# Altium PCB VCA822.PcbDoc
Units mm, origin at the board's own origin, x right, y up, seen from the top; angles counter-clockwise.
Board outline 48 x 38 mm, 2 copper layers (Top Layer, Bottom Layer); 42 components, 21 nets, 111 pads, 16 vias.
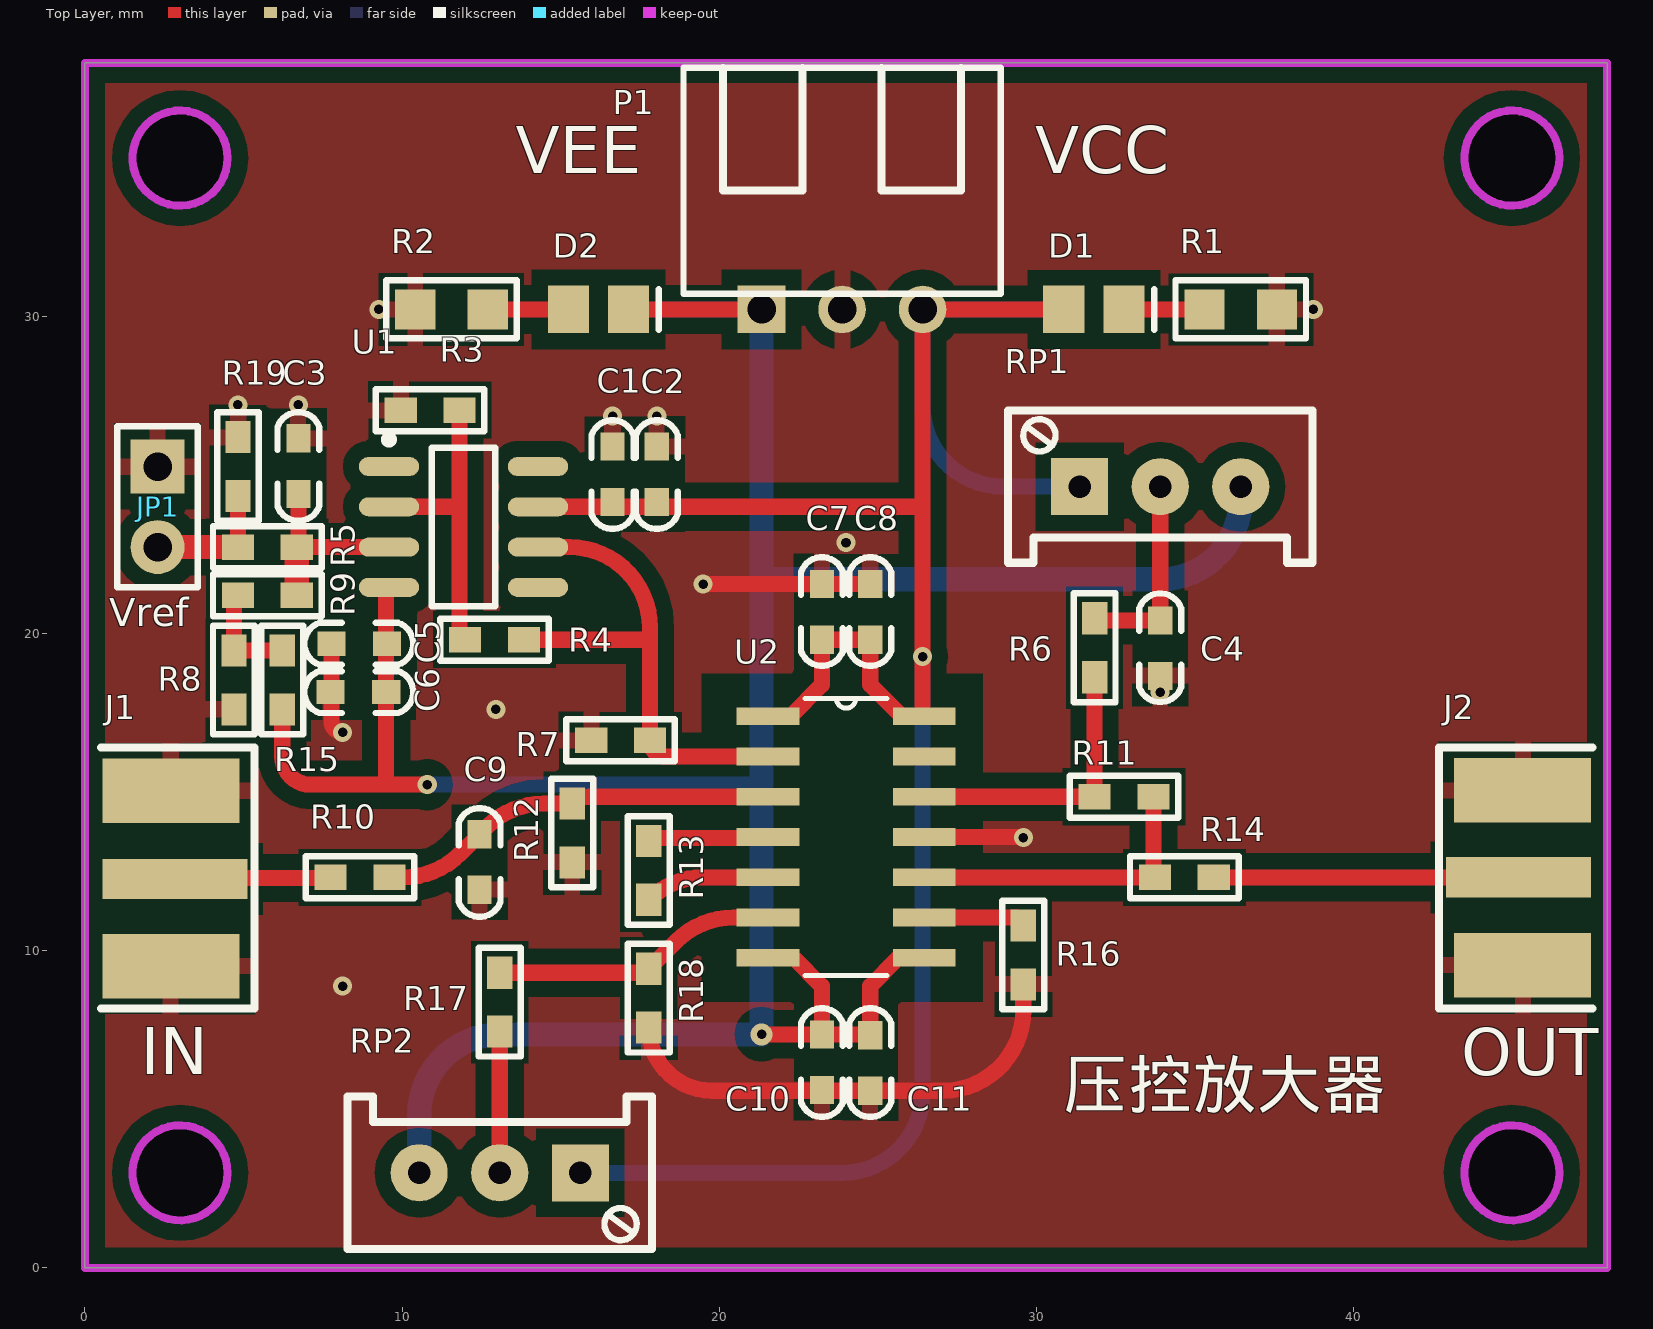
[diagram p0: Top Layer view]
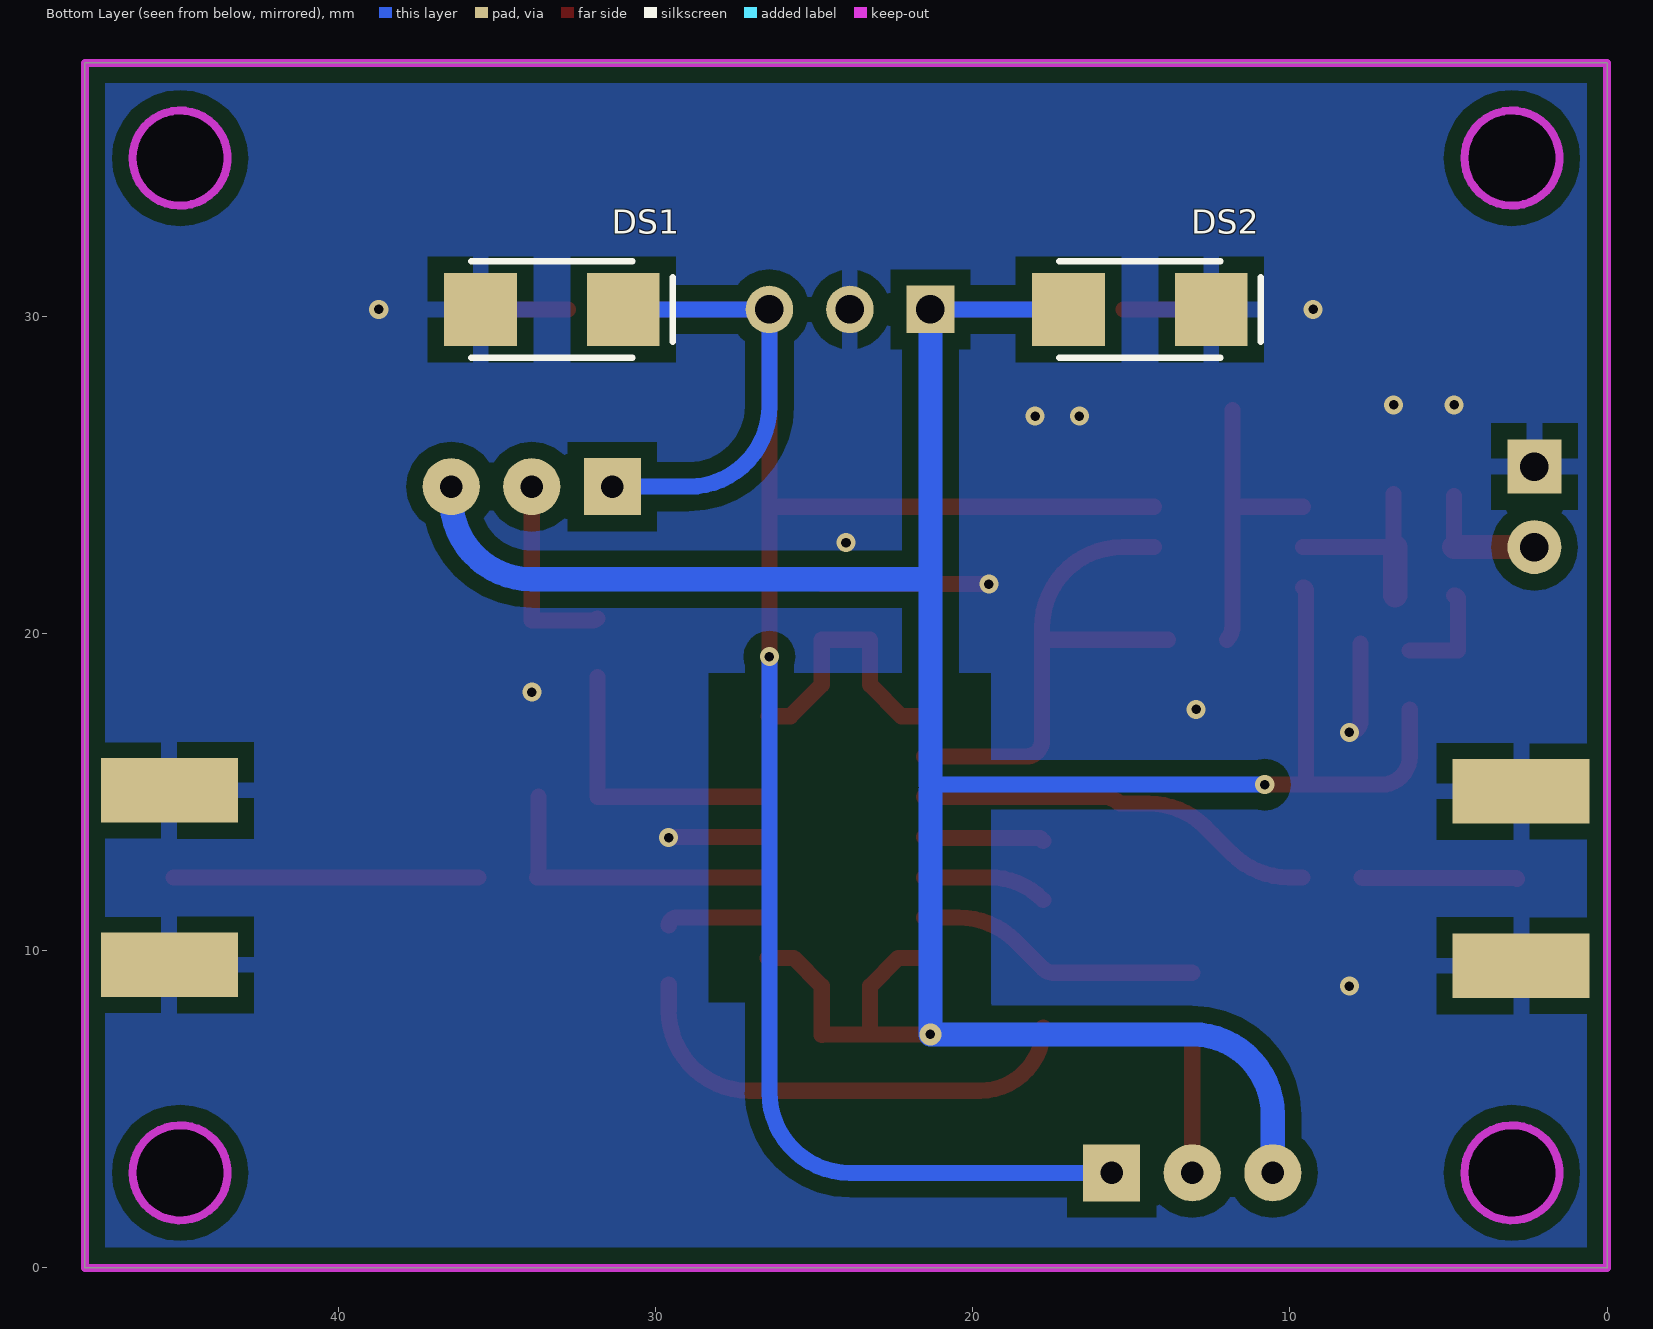
[diagram p1: Bottom Layer view, seen from below]

## Layer stack, top to bottom
Top Solder: solder mask 0.0102, Solder Resist, Dk 3.5
Top Layer: signal copper 0.0356
Dielectric 1: dielectric 0.32, FR-4, Dk 4.8
Bottom Layer: signal copper 0.0356
Bottom Solder: solder mask 0.0102, Solder Resist, Dk 3.5

## Board outline
0,0 48,0 48,38 0,38
cut-out: 43.5,3 ccw(c45,3) 45,1.5 ccw(c45,3) 46.5,3 ccw(c45,3) 45,4.5 ccw(c45,3)
cut-out: 43.5,35 ccw(c45,35) 45,33.5 ccw(c45,35) 46.5,35 ccw(c45,35) 45,36.5 ccw(c45,35)
cut-out: 3,33.5 cw(c3,35) 1.5,35 cw(c3,35) 3,36.5 cw(c3,35) 4.5,35 cw(c3,35)
cut-out: 3,1.5 cw(c3,3) 1.5,3 cw(c3,3) 3,4.5 cw(c3,3) 4.5,3 cw(c3,3)

## Design rules (kind name [scope] priority, off if disabled: settings)
Clearance [All] p1: gap=0.254 ignorepadtopadclearanceinfootprint=FALSE except(0: Arc-Hole Track-Hole SMDPad-Hole THPad-Hole Via-Hole Fill-Hole Poly-Hole Region-Hole Text-Hole; 0.508: Arc-Fill Arc-Poly Arc-Region Track-Fill Track-Poly Track-Region SMDPad-Fill SMDPad-Poly SMDPad-Region THPad-Fill THPad-Poly THPad-Region Via-Fill Via-Poly Via-Region Fill-Fill Fill-Poly Fill-Region Poly-Poly Poly-Region Region-Region)
HoleToHoleClearance [All] p1: gap=0 allowstackedmicrovias=TRUE
MinimumSolderMaskSliver [All] p1: minsoldermaskwidth=0
PolygonConnect [All] p1: thpad.connectstyle=Relief thpad.reliefconductorwidth=0.508 thpad.reliefentries=4 thpad.polygonreliefangle="90 Angle" thpad.airgapwidth=0.508 smdpad.connectstyle=Relief smdpad.reliefconductorwidth=0.508 smdpad.reliefentries=4 smdpad.polygonreliefangle="90 Angle" smdpad.airgapwidth=0.508 via.connectstyle=Direct via.reliefconductorwidth=0.508 via.reliefentries=4 via.polygonreliefangle="90 Angle" via.airgapwidth=0.508
RoutingVias [All] p1: holewidth=0.3 width=0.6 viastyle="Through Hole" minholewidth=0.3 minwidth=0.6 maxholewidth=0.711 maxwidth=2.54
SilkToSilkClearance [All] p1: silktosilkclearance=0
SilkToSolderMaskClearance [IsPad] p1: minsilkscreentomaskgap=0 clearancetoexposedcopper=TRUE
SolderMaskExpansion [All] p1: expansion=0.102
Width [All] p1: maxlimit=2.54 minlimit=0.025 preferedwidth=0.254
26 further rules are at their usual default settings.

## Components (designator, comment, footprint, x,y, rotation, side; value= is the part's Value field where it differs from the comment)
C1 "1uF" "C 0603" 16.637,25.019 r270 top
C2 "104" "C 0603" 18.034,25.019 r270 top
C3 "2.2uF" "C 0603" 6.731,25.273 r270 top
C4 "104" "C 0603" 33.909,19.558 r90 top
C5 "1uF" "C 0603" 8.636,19.685 r180 top
C6 "104" "C 0603" 8.636,18.161 r0 top
C7 "104" "C 0603" 23.241,20.701 r90 top
C8 "2.2uF" "C 0603" 24.765,20.701 r90 top
C9 "1pF" "C 0603" 12.446,12.789 r270 top
C10 "104" "C 0603" 23.241,6.477 r270 top
C11 "2.2uF" "C 0603" 24.765,6.477 r90 top
D1 "LED" LED_0805 31.816,30.226 r0 top
D2 "LED" LED_0805 16.195,30.226 r0 top
DS1 "D Schottky" DIODE-SMA 33.274,30.226 r180 bottom
DS2 "D Schottky" DIODE-SMA 14.732,30.226 r180 bottom
J1 "COAX" MCX5.08-5-H 2.834,12.268 r0 top
J2 "COAX" MCX5.08-5-H 45.212,12.319 r180 top
JP1 "HDR-1X2" HDR-1X2 2.289,25.273 r270 top
P1 "Header 3" HDR3X1_B2 23.876,30.226 r0 top
R1 "1K" "R 0805" 36.449,30.226 r0 top
R2 "1K" "R 0805" 11.557,30.226 r0 top
R3 "1K" "R 0603" 10.884,27.051 r180 top
R4 "1K" "R 0603" 12.916,19.812 r0 top
R5 "7.12K" "R 0603" 5.753,22.733 r180 top
R6 "4K" "R 0603" 31.839,19.558 r90 top
R7 "1K" "R 0603" 16.891,16.637 r0 top
R8 "1K" "R 0603" 4.699,18.542 r270 top
R9 "7.12K" "R 0603" 5.753,21.209 r180 top
R10 "800" "R 0603" 8.674,12.319 r180 top
R11 "402" "R 0603" 32.766,14.859 r0 top
R12 "50" "R 0603" 15.367,13.716 r90 top
R13 "80" "R 0603" 17.78,12.535 r90 top
R14 "25" "R 0603" 34.671,12.319 r0 top
R15 "4K" "R 0603" 6.223,18.542 r90 top
R16 "20" "R 0603" 29.591,9.868 r270 top
R17 "1K" "R 0603" 13.081,8.382 r270 top
R18 "50" "R 0603" 17.78,8.509 r90 top
R19 "10K" "R 0603" 4.826,25.273 r90 top
RP1 "10K" 3296W 33.909,24.638 r0 top
RP2 "10K" 3296W 13.081,3 r180 top
U1 "OP07" SO8_L 11.938,23.368 r0 top
U2 "VCA822" SOIC14_N 24.003,13.589 r0 top value=Value

## Footprints (in the part's own frame and the unit in brackets; to place one, negate y for a bottom-side part, rotate by r counter-clockwise, add the part's x,y. Pads: shape width x height; smd on the part's side, far side on the other; paste and mask are expansions set on the pad)
3296W [mm] "Precise Multi-Winding Adjustable Resistor"
  rect 1.8x1.8 hole 0.7: 1(-2.54,0)
  round 1.8 hole 0.7: 2(0,0) 3(2.54,0)
  silkscreen extent -4.8,-2.4 4.8,2.4, body extent -4.75,-2.4 4.75,2.4, height 11.52
"C 0603" [mil] "无极性贴片电容"
  rect 35x30 smd: 1(-35,0) 2(34,0)
  silkscreen extent -67,-26 67,26, body extent -31,-16 31,16, height 32
DIODE-SMA [mm] "贴片二极管"
  rect 2.3x2.3 smd: 1(-2.25,0) 2(2.25,0)
  silkscreen extent -2.54,-1.52 3.81,1.52, body extent -2.92,-1.4 2.92,1.4, height 3
HDR3X1_B2 [mm] "Connector; Header; 3 Position"
  rect 1.5x1.5 hole 0.9: 1(-2.54,0)
  round 1.5 hole 0.9: 2(0,0) 3(2.54,0)
  silkscreen extent -5,0.5 5,7.62, body extent -5,0.5 5,7.62, height 6
HDR-1X2 [mm] "排针，2脚"
  rect 1.7x1.7 hole 0.9: 1(0,0)
  round 1.7 hole 0.9: 2(2.54,0)
  silkscreen extent -1.27,-1.27 3.81,1.27, body extent -1.27,-1.27 3.81,1.27, height 8.5
LED_0805 [mm] "贴片二极管"
  rect 1.3x1.5 smd: 1(-0.95,0) 2(0.95,0)
  silkscreen extent 1.91,-0.64 1.91,0.64
MCX5.08-5-H [mil]
  rect 180x50 smd: 1(0,0)
  rect 170x80 smd: 2(-5,109.25) 5(-5,-108.27)
  rect 170x80 smd far side: 3(-5,108.66) 4(-5,-107.87)
  silkscreen extent -92,-161 99,163, body extent -93,-132 80,134, height 39
"R 0603" [mil] "1/10W贴片电阻"
  rect 40x31.5 smd: 1(-36.5,0) 2(36.5,0)
  silkscreen extent -68,-26 68,26, body extent -31,-16 31,16, height 16
"R 0805" [mil] "1/8W贴片电阻"
  rect 50x50 smd: 1(-45,0) 2(45,0)
  silkscreen extent -81,-36 81,36, body extent -39,-25 39,25, height 20
SO8_L [mm] "SOIC, 8-Leads, Body 4.9x3.9mm, Pitch 1.27mm, IPC High Density"
  oval 1.9x0.6 smd: 1(-2.35,1.905) 2(-2.35,0.635) 3(-2.35,-0.635) 4(-2.35,-1.905) 5(2.35,-1.905) 6(2.35,-0.635) 7(2.35,0.635) 8(2.35,1.905)
  silkscreen extent -2.47,-2.5 1,2.88, body extent -2,-2.5 2,2.5, height 1.75
SOIC14_N [mil]
  rect 78x22 smd: 1(-97,150) 2(-97,100) 3(-97,50) 4(-97,0) 5(-97,-50) 6(-97,-100) 7(-97,-150) 8(97,-150) 9(97,-100) 10(97,-50) 11(97,0) 12(97,50) 13(97,100) 14(97,150)
  silkscreen extent -51,-172 51,172, body extent -95,-175 100,175, height 69

## Part data
C1 C2 C3 C4 C5 C6 C7 C8 C9 C10 C11: library part C, "无极性贴片电容"
D1 D2: "发光二极管", LatestRevisionDate=08-Jul-2005, LatestRevisionNote="Mech Layer 1 removed.", PackageReference=LED, Published=8-Jun-2000, Publisher="Altium Limited"
DS1 DS2: "Schottky Diode", Code_JEDEC=DO-214-AA, LatestRevisionDate=17-Jul-2002, LatestRevisionNote="Re-released for DXP Platform.", PackageDescription="DO-214-AA/SMB; 2 C-Bend Leads; Body 5.3 x 3.6 mm, inc. leads (LxW)", PackageReference=SMB, Published=8-Jun-2000, Publisher="Altium Limited"
JP1: library part "Header 2", "2P接插件", BOM名称=2P接插件, 学习资源=www.ooocke.com, 版权归属=源创客
P1: "接插件", LatestRevisionDate=17-Jul-2002, LatestRevisionNote="Re-released for DXP Platform.", Publisher="Altium Limited"
R1 R2 R3 R4 R5 R6 R7 R8 R9 R10 R11 R12 R13 R14 R15 R16 R17 R18 R19: library part R, "贴片电阻"
RP1 RP2: library part RP-ID, "插件单联电位器"
U1: "Precision Operational Amplifiers"
U2: "VCA822 Wideband, > 40-dB Gain Adjust Range, Linear in V/V Variable Gain Amplifier", Manufacturer="Texas Instruments", Manufacturer_Part_Number=vca821_d_14, PACKAGE_DESIGNATOR=D, Datasheet URL=http://www.ti.com/lit/gpn/VCA821, FAMILY_NAME="VARIABLE GAIN AMPLIFIER", GENERIC_PART_NUMBER=VCA821, INDUSTRY_STD_PKG_TYPE=SOIC, PIN_COUNT=14, RefDes=RefDes, Type=DEV, Vendor="Texas Instruments"

## Via types
v1: diameter 0.6, hole 0.3, Top Layer to Bottom Layer, tented both sides, 15 vias
v2: diameter 0.7, hole 0.3, Top Layer to Bottom Layer, tented both sides, 1 vias

## Nets (pads, with @x,y where several pads share a name; then routed paths per layer and width w, separated by ;. In a path a pad name is that pad's centre, name@x,y a point inside that pad or via, vN(x,y) a via of type N, cw(c..) or ccw(c..) an arc to the next point about the centre after c; other vN are vias at no path point)
GND: C1.1 C2.1 C3.1 C4.1 C5.2 C6.1 C7.2 C8.2 C9.2 C10.2 C11.1 DS1.1 DS2.2 J1.2 J1.3 J1.4 J1.5 J2.2 J2.3 J2.4 J2.5 JP1.1 P1.2 R1.2 R2.1 R3.2 R7.1 R8.2 R12.1 R16.2 R18.1 R19.2 U2.11 | length 26.6
  Top Layer w0.508: C5.2 7.772,17.247 ccw(c8.128,17.247) v1(8.128,16.891) ; R18.1 ccw(c19.774,7.582) 19.774,5.588 C11.1 27.051,5.588 ccw(c27.051,8.128) 29.591,8.128 R16.2 ; v1(19.497,21.565) C7.2 C8.2 ; U2.11 v1@29.591,13.589
  other v1: 8.128,8.89 29.591,13.57 12.96,17.615 33.909,18.161 24,22.873 16.637,26.86 18.034,26.86 4.826,27.216 6.731,27.216 9.271,30.226 38.735,30.226
NetC3_2: C3.2 R5.1 R9.1 U1.3 | length 6.1
  Top Layer w0.508: C3.2 6.731,22.856 cw(c6.558,22.856) R5.1 U1.3
  Top Layer w0.762: R9.1 R5.1
NetC4_2: C4.2 R6.2 RP1.2 | length 6.3
  Top Layer w0.508: R6.2 ccw(c31.992,20.638) 31.992,20.422 C4.2 RP1.2
NetC9_1: C9.1 R10.1 R12.2 U2.3 | length 12.7
  Top Layer w0.508: R10.1 10.035,12.319 ccw(c10.035,14.859) 11.831,13.063 C9.1 12.667,13.899 cw(c14.463,12.103) 14.463,14.643 R12.2 cw(c15.888,14.122) 15.888,14.859 U2.3
NetD1_2: D1.2 R1.1 | length 2.5
  Top Layer w0.508: D1.2 R1.1
NetD2_1: D2.1 R2.2 | length 2.5
  Top Layer w0.508: R2.2 D2.1
NetJ1_1: J1.1 R10.2 | length 4.9
  Top Layer w0.508: J1.1 2.86,12.294 7.722,12.294 R10.2
NetJ2_1: J2.1 R14.2 | length 9.6
  Top Layer w0.508: R14.2 J2.1
NetJP1_2: JP1.2 R5.2 R19.1 | length 4.1
  Top Layer w0.508: R5.2 R19.1
  Top Layer w0.762: JP1.2 R5.2
NetR3_1: R3.1 R4.1 U1.2 | length 9.5
  Top Layer w0.508: U1.2 11.811,24.003 ; R3.1 11.811,24.003 ; R4.1 cw(c12.418,20.241) 11.811,20.241 11.811,24.003
NetR4_2: R4.2 R7.2 U1.6 U2.2 | length 16.5
  Top Layer w0.508: R4.2 17.818,19.812 ; U1.6 15.278,22.733 cw(c15.278,20.193) 17.818,20.193 17.818,19.812 ; U2.2 18.326,16.129 cw(c18.326,16.637) R7.2 17.818,19.812
NetR6_1: R6.1 R11.1 U2.12 | length 9.1
  Top Layer w0.508: U2.12 R11.1 R6.1
NetR8_1: R8.1 R9.2 R15.2 | length 3.3
  Top Layer w0.508: R9.2 ccw(c4.826,21.082) 4.699,21.082 R8.1 R15.2
NetR11_2: R11.2 R14.1 U2.10 | length 9.8
  Top Layer w0.508: U2.10 R14.1 cw(c33.867,12.442) 33.693,12.442 R11.2
NetR13_1: R13.1 U2.5 | length 3.9
  Top Layer w0.508: R13.1 cw(c19.497,9.891) 19.497,12.319 U2.5
NetR13_2: R13.2 U2.4 | length 3.8
  Top Layer w0.508: R13.2 17.882,13.564 21.514,13.564 U2.4
NetR16_1: R16.1 U2.9 | length 3.3
  Top Layer w0.508: U2.9 29.337,11.049 cw(c29.337,10.795) R16.1
NetR17_1: R17.1 R18.2 U2.6 | length 9.1
  Top Layer w0.508: R17.1 17.473,9.309 ccw(c17.473,9.743) R18.2 18.649,10.305 cw(c20.445,8.509) 20.445,11.049 U2.6
NetR17_2: R17.2 RP2.2 | length 4.5
  Top Layer w0.508: RP2.2 R17.2
VCC: C1.2 C2.2 C7.1 C8.1 D1.1 DS1.2 P1.3 RP1.1 RP2.1 U1.7 U2.1 U2.14 | length 78.1
  Top Layer w0.508: U1.7 26.332,24.003 ccw(c26.332,24.087) 26.416,24.087 ; U2.1 22.25,17.399 23.241,18.39 C7.1 C8.1 24.765,18.39 25.756,17.399 26.441,17.399 cw(c26.503,17.46) 26.416,17.46 v1(26.416,19.279) ; v1@26.441,19.304 ccw(c26.441,19.279) v1(26.416,19.279) ; D1.1 P1.3 26.416,24.087 ; v1(26.416,19.279) 26.416,24.087
  Bottom Layer w0.508: RP2.1 23.876,3 ccw(c23.876,5.54) 26.416,5.54 v1(26.416,19.279) ; DS1.2 P1.3 26.416,27.178 ccw(c28.956,27.178) 28.956,24.638 RP1.1
VEE: C5.1 C6.2 C10.1 C11.2 D2.2 DS2.1 P1.1 R15.1 RP1.3 RP2.3 U1.4 U2.7 U2.8 | length 96.3
  Top Layer w0.508: R15.1 6.223,16.129 ccw(c7.112,16.129) 7.112,15.24 9.5,15.24 ; U1.4 ccw(c9.588,21.375) 9.5,21.375 C6.2 9.5,15.24 ; v1(10.795,15.24) 9.5,15.24 ; D2.2 P1.1 ; v2(21.336,7.366) C10.1 ; U2.7 22.352,9.779 23.241,8.89 C10.1 ; U2.8 25.654,9.779 24.765,8.89 C11.2 ccw(c24.704,7.279) 24.704,7.366 C10.1
  Bottom Layer w0.508: v1(10.795,15.24) 21.336,15.24 ; DS2.1 P1.1
  Bottom Layer w0.762: RP2.3 10.541,4.826 cw(c13.081,4.826) 13.081,7.366 v2(21.336,7.366) 21.336,15.059 ; 21.336,15.24 21.336,21.717 ; P1.1 21.336,21.717 ; RP1.3 36.449,24.257 cw(c33.909,24.257) 33.909,21.717 21.336,21.717
pads on no net: U1.1 U1.5 U1.8 U2.13

## Polygon pours and split planes (outlines as drawn)
GND on Bottom Layer "Top Layer-No Net1" (solid, remove dead copper, pour order 6): 0,0 48,0 48,38 0,38
GND on Top Layer "Top Layer-No Net" (solid, remove dead copper, pour order 5): 0,0 48,0 48,38 0,38

## Keep-outs
Keep-Out Layer:
  circle w0.254: c45,35 r1.5
  circle w0.254: c45,3 r1.5
  circle w0.254: c3,35 r1.5
  circle w0.254: c3,3 r1.5
  pour cut-out: 3,33.5 cw(c3,35) 1.5,35 cw(c3,35) 3,36.5 cw(c3,35) 4.5,35 cw(c3,35)
  lines w0.254: 0,0 0,38 48,38 48,0 0,0

## Other copper
Top Layer:
  pour cut-out: 19.431,18.758 28.321,18.758 28.321,8.382 19.431,8.382
  pour cut-out: 19.497,18.923
Bottom Layer:
  pour cut-out: 19.431,18.758 28.321,18.758 28.321,8.382 19.431,8.382

## Silkscreen, mask and mechanical layers (free items; w line width, h text height)
Top Overlay:
  text "VEE" at 13.589,34.036 h2.54
  text "VCC" at 29.972,34.036 h2.54
  text "Vref" at 0.762,19.939 h1.52
  text "IN" at 1.753,5.613 h2.54
  text "OUT" at 43.409,5.588 h2.54
  text "压控放大器" at 30.861,4.572 h2.54